# Allegro board gps_interface_boardv49dc.brd (continued)
## Routing (per net, layer and track width the routed paths; a pad name or vN(x,y) marks a point on that pad's centre or on a via; arc(x,y) is an arc through that point) (continued)
MOD_ABS_SFP INTERFACE_SFP1: length 2.9
  TOP w0.203: J13.6 284.08,121.82 284.29,122.02 v1(284.34,122.02)
  BOTTOM w0.203: R127.2 284.2,122.16 v1(284.34,122.02)
MOD_ABS_SFP INTERFACE_SFP2: length 2.9
  TOP w0.203: J14.6 262.01,121.77 262.21,121.97 v1(262.26,121.97)
  BOTTOM w0.203: R148.2 262.13,122.11 v1(262.26,121.97)
MOD_ABS_SFP INTERFACE_SFP3: length 2.9
  TOP w0.203: v1(239.96,121.97) 239.91,121.97 239.71,121.77 J18.6
  BOTTOM w0.203: R169.2 239.83,122.11 v1(239.96,121.97)
MOD_ABS_SFP INTERFACE_SFP4: length 2.9
  TOP w0.203: J19.6 210.47,121.77 210.68,121.97 v1(210.73,121.97)
  BOTTOM w0.203: R190.2 210.59,122.11 v1(210.73,121.97)
MOD_ABS_SFP INTERFACE_SFP5: length 2.9
  TOP w0.203: J20.6 188.17,121.77 188.38,121.97 v1(188.43,121.97)
  BOTTOM w0.203: v1(188.43,121.97) 188.29,122.11 R211.2
MOD_ABS_SFP INTERFACE_SFP6: length 2.9
  TOP w0.203: J21.6 166.05,121.77 166.25,121.97 v1(166.3,121.97)
  BOTTOM w0.203: v1(166.3,121.97) 166.17,122.11 R232.2
N04910_SFP INTERFACE_SFP1: length 4.2
  TOP w0.165: U22.4 280.05,83.27 v1(279.65,82.88) ; U22.1 280.5,84.76 279.96,84.76 v1(279.65,85.06)
  BOTTOM w0.165: v1(279.65,82.88) v1(279.65,85.06)
N04910_SFP INTERFACE_SFP2: length 4.2
  TOP w0.165: U26.4 257.97,83.37 v1(257.58,82.98) ; U26.1 258.43,84.86 257.89,84.86 v1(257.58,85.17)
  BOTTOM w0.165: v1(257.58,82.98) v1(257.58,85.17)
N04910_SFP INTERFACE_SFP3: length 4.2
  TOP w0.165: v1(235.28,85.17) 235.59,84.86 236.13,84.86 U30.1 ; v1(235.28,82.98) 235.67,83.37 U30.4
  BOTTOM w0.165: v1(235.28,82.98) v1(235.28,85.17)
N04910_SFP INTERFACE_SFP4: length 4.2
  TOP w0.165: U34.4 206.46,83.37 v1(206.07,82.98) ; v1(206.07,85.17) 206.38,84.86 206.92,84.86 U34.1
  BOTTOM w0.165: v1(206.07,82.98) v1(206.07,85.17)
N04910_SFP INTERFACE_SFP5: length 4.2
  TOP w0.165: v1(183.77,85.17) 184.07,84.86 184.62,84.86 U38.1 ; U38.4 184.16,83.37 v1(183.77,82.98)
  BOTTOM w0.165: v1(183.77,82.98) v1(183.77,85.17)
N04910_SFP INTERFACE_SFP6: length 4.2
  TOP w0.165: v1(161.65,82.98) 162.04,83.37 U42.4 ; v1(161.65,85.17) 161.95,84.86 162.49,84.86 U42.1
  BOTTOM w0.165: v1(161.65,82.98) v1(161.65,85.17)
N04977_SFP INTERFACE_SFP1: length 4.4
  TOP w0.33: v1(283.06,81.79) 282.61,82.23 U22.8 ; U22.5 281.11,82.16 v1(280.75,81.79)
  BOTTOM w0.165: v1(280.75,81.79) v1(283.06,81.79)
N04977_SFP INTERFACE_SFP2: length 4.4
  TOP w0.33: v1(258.67,81.89) 259.04,82.26 U26.5 ; U26.8 260.54,82.33 v1(260.99,81.89)
  BOTTOM w0.165: v1(258.67,81.89) v1(260.99,81.89)
N04977_SFP INTERFACE_SFP3: length 4.4
  TOP w0.33: U30.5 236.74,82.26 v1(236.37,81.89) ; U30.8 238.24,82.33 v1(238.68,81.89)
  BOTTOM w0.165: v1(236.37,81.89) v1(238.68,81.89)
N04977_SFP INTERFACE_SFP4: length 4.4
  TOP w0.33: U34.8 209.03,82.33 v1(209.47,81.89) ; v1(207.16,81.89) 207.53,82.26 U34.5
  BOTTOM w0.165: v1(207.16,81.89) v1(209.47,81.89)
N04977_SFP INTERFACE_SFP5: length 4.4
  TOP w0.33: U38.5 185.23,82.26 v1(184.86,81.89) ; v1(187.17,81.89) 186.73,82.33 U38.8
  BOTTOM w0.165: v1(184.86,81.89) v1(187.17,81.89)
N04977_SFP INTERFACE_SFP6: length 4.4
  TOP w0.33: v1(165.05,81.89) 164.61,82.33 U42.8 ; v1(162.74,81.89) 163.11,82.26 U42.5
  BOTTOM w0.165: v1(162.74,81.89) v1(165.05,81.89)
N136741_SFP INTERFACE_ACLK SFP: length 2.2
  TOP w0.17: D41.1 112.34,122.9 R2684.1
N136741_SFP INTERFACE_SFP1: length 3.6
  TOP w0.203: D17.1 279.18,106.26 279.18,106.26 v1(277.91,106.26)
  BOTTOM w0.203: R132.1 v1(277.91,106.26)
N136741_SFP INTERFACE_SFP2: length 3.6
  TOP w0.203: v1(255.84,106.26) 257.11,106.26 257.11,106.26 D21.1
  BOTTOM w0.203: R153.1 v1(255.84,106.26)
N136741_SFP INTERFACE_SFP3: length 3.6
  TOP w0.203: D25.1 234.81,106.26 234.8,106.26 v1(233.54,106.26)
  BOTTOM w0.203: R174.1 v1(233.54,106.26)
N136741_SFP INTERFACE_SFP4: length 3.6
  TOP w0.203: D29.1 205.57,106.26 v1(204.31,106.26)
  BOTTOM w0.203: R195.1 v1(204.31,106.26)
N136741_SFP INTERFACE_SFP5: length 3.6
  TOP w0.203: D33.1 183.27,106.26 v1(182,106.26)
  BOTTOM w0.203: R216.1 v1(182,106.26)
N136741_SFP INTERFACE_SFP6: length 3.4
  TOP w0.203: v1(159.88,106.6) 160.23,106.25 161.14,106.25 161.15,106.26 D37.1
  BOTTOM w0.203: R237.1 v1(159.88,106.6)
N141568_SFP INTERFACE_ACLK SFP: length 12.1
  TOP w0.17: U105.4 124.31,121.18 123.93,120.8 120.29,120.8 118.26,122.84 R2683.2 115.58,122.86 D41.2
N141568_SFP INTERFACE_SFP1: length 35.2
  TOP w0.165: D17.2 v1(280.61,107.86)
  SIG w0.165: v1(280.61,107.86) 280.61,105.8 281.23,105.18 281.23,93.07 277.6,89.43 277.6,78.13 v1(277.88,77.85)
  BOTTOM w0.165: R131.2 278.21,77.51 v1(277.88,77.85) 277.88,78.96 U24.4
N141568_SFP INTERFACE_SFP2: length 35.1
  TOP w0.165: D21.2 v1(258.53,107.86)
  SIG w0.165: v1(255.8,77.95) 255.52,78.23 255.52,89.43 259.16,93.07 259.16,105.18 258.53,105.8 v1(258.53,107.86)
  BOTTOM w0.165: R152.2 256.14,77.62 v1(255.8,77.95) 255.8,79.06 U28.4
N141568_SFP INTERFACE_SFP3: length 34.8
  TOP w0.165: D25.2 v1(236.23,107.86)
  SIG w0.165: v1(233.5,77.95) 233.22,78.23 233.22,89.43 236.85,93.07 236.85,105.18 236.23,105.8 v1(236.23,107.86)
  BOTTOM w0.165: v1(233.5,77.95) 233.5,79.06 U32.4
  BOTTOM w0.33: v1(233.5,77.95) 233.58,77.88 R173.2
N141568_SFP INTERFACE_SFP4: length 35.5
  TOP w0.165: D29.2 v1(207,107.86)
  SIG w0.165: v1(207,107.86) 205.99,106.86 205.99,100.94 203.99,98.93 203.99,78.26 v1(204.29,77.95)
  BOTTOM w0.165: U36.4 204.29,79.06 v1(204.29,77.95)
  BOTTOM w0.203: R194.2 205.54,78.01 205.54,78.84 205.31,79.07 U36.4
N141568_SFP INTERFACE_SFP5: length 50.6
  TOP w0.165: D33.2 v1(184.8,107.86)
  BOTTOM w0.165: v1(184.8,107.86) 186.54,106.12 188.06,106.12 189.05,105.13 189.05,97.49 177.77,86.21 177.77,77.44 178.82,76.4 181.48,76.4 181.98,76.9 U40.4
  BOTTOM w0.203: R215.2 184.18,77.9 183.01,79.07 U40.4
N141568_SFP INTERFACE_SFP6: length 53.6
  TOP w0.165: v1(162.57,107.86) 162.55,107.86
  TOP w0.203: 162.55,107.86 D37.2
  BOTTOM w0.165: U44.4 159.87,79.06 159.87,76.01 159.7,75.84 155.98,75.84 153.7,78.13 153.7,95.2 156.38,97.89 161.71,97.89 163.93,100.1 163.93,106.05 162.57,107.4 v1(162.57,107.86)
  BOTTOM w0.203: R236.2 162.05,77.9 160.88,79.07 U44.4
N210584_SFP INTERFACE_ACLK SFP: length 6.2
  TOP w0.17: R2685.1 112.38,126.06 D40.1 112.45,124.88 112.45,124.26 112.96,123.74 R2683.1
N210584_SFP INTERFACE_SFP1: length 5.6
  TOP w0.203: v1(279.11,72.58) 279.11,73.46 279.04,73.52 D16.1
  BOTTOM w0.203: R131.1 279.11,75.67 279.11,75.67 R133.1 v1(279.11,72.58)
N210584_SFP INTERFACE_SFP2: length 4.1
  TOP w0.203: v1(258.09,74.28) D20.1
  BOTTOM w0.203: v1(258.09,74.28) 257.84,74.28 R154.1 257.04,75.77 257.04,75.77 R152.1
N210584_SFP INTERFACE_SFP3: length 8.5
  TOP w0.203: v1(238.88,73.93) 238.88,74.8 238.81,74.87 D24.1
  BOTTOM w0.33: v1(238.88,73.93) 238.86,73.91 236.3,73.91 235.5,74.71 R175.1 235.5,76.31 R173.1
N210584_SFP INTERFACE_SFP4: length 8.5
  TOP w0.203: D28.1 209.6,74.87 209.67,74.8 v1(209.67,73.93)
  BOTTOM w0.165: v1(209.67,73.93) 206.9,73.93 206.54,74.28 R196.1 206.55,76.33 R194.1
N210584_SFP INTERFACE_SFP5: length 5.6
  TOP w0.203: D32.1 187.3,74.87 187.36,74.8 v1(187.36,73.93)
  BOTTOM w0.203: R215.1 187.37,77.02 187.36,77.01 R217.1 v1(187.36,73.93)
N210584_SFP INTERFACE_SFP6: length 5.6
  TOP w0.203: v1(165.24,73.93) 165.24,74.8 165.18,74.87 D36.1
  BOTTOM w0.203: v1(165.24,73.93) R238.1 165.24,77.01 165.25,77.02 R236.1
PG_2V5: length 69.6
  TOP w0.165: v1(52.73,48.21) 47.98,48.21 46.8,47.03 U101.4
  TOP w0.203: U12.4 46.68,65.04 48.11,66.47 v1(53.57,66.47)
  BOTTOM w0.165: R61.1 55.13,65.09 55.58,64.64 64.97,64.64 66.04,63.58 66.04,46.2 61.49,41.66 54.79,41.66 52.73,43.71 v1(52.73,48.21)
  BOTTOM w0.203: Q6.1 55.11,67.74 55.13,67.72 R61.1 53.98,66.07 v1(53.57,66.47)
PG_3V3: length 32.9
  TOP w0.165: v1(51.87,99.09) 47.68,99.09 46.51,97.91 U11.4 ; U9.4 46.83,83.05 48.06,84.28 v1(51.87,84.28)
  BOTTOM w0.203: Q5.1 54.91,101.24 54.88,101.21 R56.1 52.3,99.52 v1(51.87,99.09) v1(51.87,84.28)
PG_3V5: length 18.2
  TOP w0.203: v1(6.78,46.1) 8.06,44.82 U6.31
  BOTTOM w0.203: Q3.1 7.27,31.17 7.3,31.2 R40.1 7.3,34.2 7.29,34.21 7.29,45.59 v1(6.78,46.1)
PG_5V: length 12
  TOP w0.165: U7.4 15.11,70.27 16.14,71.3 20.47,71.3
  TOP w0.203: 20.47,71.3 20.47,71.32 v1(21.08,71.93)
  BOTTOM w0.203: Q4.1 23.67,73.71 23.63,73.67 R50.1 v1(21.08,71.93)
PGOOD_P5V5: length 4.2
  TOP w0.17: U100.B2 5.47,22.21 R2660.1
PPS_OUT_N: length 3.7
  TOP w0.33: R12.1 16.56,128.55 16.56,130.46 16.5,130.52 U2.6
PPS_OUT_P: length 3.6
  TOP w0.33: U2.7 17.15,130.52 17.09,130.46 17.09,128.3 R11.1
R_N_SFP INTERFACE_SFP1: length 2.4
  TOP w0.178: U22.15 281.61,86.34 R130.2
R_N_SFP INTERFACE_SFP2: length 2.4
  TOP w0.178: U26.15 259.54,86.45 R151.2
R_N_SFP INTERFACE_SFP3: length 2.4
  TOP w0.178: U30.15 237.24,86.45 R172.2
R_N_SFP INTERFACE_SFP4: length 2.4
  TOP w0.178: U34.15 208.03,86.45 R193.2
R_N_SFP INTERFACE_SFP5: length 2.4
  TOP w0.178: R214.2 185.73,86.45 U38.15
R_N_SFP INTERFACE_SFP6: length 2.4
  TOP w0.178: R235.2 163.61,86.45 U42.15
R_P_SFP INTERFACE_SFP1: length 2
  TOP w0.178: R128.2 282.13,85.39 U22.14
R_P_SFP INTERFACE_SFP2: length 2
  TOP w0.178: R149.2 260.06,85.49 U26.14
R_P_SFP INTERFACE_SFP3: length 2
  TOP w0.178: R170.2 237.76,85.49 U30.14
R_P_SFP INTERFACE_SFP4: length 2
  TOP w0.178: R191.2 208.55,85.49 U34.14
R_P_SFP INTERFACE_SFP5: length 2
  TOP w0.178: U38.14 186.24,85.49 R212.2
R_P_SFP INTERFACE_SFP6: length 2
  TOP w0.178: R233.2 164.12,85.49 U42.14
RECOV_ACLK_CLK_N: length 7.2
  TOP w0.203: U48.2 109.25,83.13 109.23,83.12
  TOP w0.33: 106.57,85.65 107.06,85.65 107.42,85.29 107.42,84.15 108.45,83.12 109.23,83.12 ; 106.57,85.65 105.45,85.65 C2738.2 ; 106.57,85.65 R2693.2
RECOV_ACLK_CLK_P: length 7.2
  TOP w0.203: U48.1 109.25,83.63 109.23,83.65
  TOP w0.33: 109.23,83.65 108.67,83.65 107.95,84.37 107.95,85.51 107.28,86.18 106.55,86.18 ; 106.55,86.18 105.45,86.18 C2737.2 ; 106.55,86.18 R2693.1
RS_SFP INTERFACE_ACLK SFP: length 2.7
  TOP w0.203: J30.7 v1(136.01,121.94)
  BOTTOM w0.203: v1(136.01,121.94) 136.01,122.51 136.02,122.52 R2681.2
RS_SFP INTERFACE_SFP1: length 2.7
  TOP w0.203: J13.7 v1(283.28,121.99)
  BOTTOM w0.203: v1(283.28,121.99) 283.28,122.56 283.29,122.57 R129.2
RS_SFP INTERFACE_SFP2: length 2.7
  TOP w0.203: J14.7 v1(261.21,121.94)
  BOTTOM w0.203: v1(261.21,121.94) 261.21,122.51 261.21,122.52 R150.2
RS_SFP INTERFACE_SFP3: length 2.7
  TOP w0.203: J18.7 v1(238.91,121.94)
  BOTTOM w0.203: v1(238.91,121.94) 238.91,122.51 238.91,122.52 R171.2
RS_SFP INTERFACE_SFP4: length 2.7
  TOP w0.203: J19.7 v1(209.67,121.94)
  BOTTOM w0.203: R192.2 209.68,122.52 209.67,122.51 v1(209.67,121.94)
RS_SFP INTERFACE_SFP5: length 2.7
  TOP w0.203: J20.7 v1(187.37,121.94)
  BOTTOM w0.203: v1(187.37,121.94) 187.37,122.51 187.38,122.52 R213.2
RS_SFP INTERFACE_SFP6: length 2.7
  TOP w0.203: J21.7 v1(165.25,121.94)
  BOTTOM w0.203: v1(165.25,121.94) 165.25,122.51 165.25,122.52 R234.2
RT_5V5: length 2.6
  TOP w0.165: R42.1 8.81,49.19 9.38,48.62 U6.26
SFP_RD_N: length 20.6
  TOP w0.33: J30.12 134.81,110.59 134.95,110.46 134.95,108.14 135.36,107.73 135.36,101.73 137.79,99.29 137.79,96.55 137.3,96.05 U107.4
SFP_RD_P: length 20.5
  TOP w0.33: J30.13 135.61,110.59 135.48,110.46 135.48,108.36 135.89,107.95 135.89,101.95 138.33,99.51 138.33,96.55 138.8,96.07 U107.1
SFP_TD_N_SFP INTERFACE_SFP1: length 38
  TOP w0.178: R126.1 R122.2 288.69,81.97 C141.2
  TOP w0.33: C141.2 288.94,83.44 291.19,83.44 293.67,85.93 293.67,91.31 286.64,98.35 286.64,107.55 287.55,108.46 287.55,110.51 287.68,110.64 J13.19
SFP_TD_N_SFP INTERFACE_SFP2: length 37.9
  TOP w0.178: C164.2 266.61,82.07 R143.2 R147.1
  TOP w0.33: J14.19 265.61,110.59 265.48,110.46 265.48,108.41 264.57,107.5 264.57,98.3 271.6,91.26 271.6,85.88 269.27,83.54 266.87,83.54 C164.2
SFP_TD_N_SFP INTERFACE_SFP3: length 37.9
  TOP w0.178: R168.1 R164.2 244.31,82.07 C187.2
  TOP w0.33: J18.19 243.31,110.59 243.18,110.46 243.18,108.41 242.27,107.5 242.27,98.3 249.3,91.26 249.3,85.88 246.99,83.57 244.59,83.57 C187.2
SFP_TD_N_SFP INTERFACE_SFP4: length 37.9
  TOP w0.178: R189.1 R185.2 215.1,82.07 C210.2
  TOP w0.33: C210.2 215.28,83.46 217.65,83.46 220.07,85.88 220.07,91.26 213.03,98.3 213.03,107.5 213.94,108.41 213.94,110.46 214.07,110.59 J19.19
SFP_TD_N_SFP INTERFACE_SFP5: length 37.3
  TOP w0.178: R210.1 R206.2 192.8,82.07 C233.2
  TOP w0.33: J20.19 191.77,110.59 191.64,110.46 191.64,108.41 190.73,107.5 190.73,98.09 196.95,91.86 196.95,84.95 195.57,83.57 193.08,83.57 C233.2
SFP_TD_N_SFP INTERFACE_SFP6: length 37.9
  TOP w0.178: R231.1 R227.2 170.68,82.07 C256.2
  TOP w0.33: C256.2 170.86,83.46 173.23,83.46 175.64,85.88 175.64,91.26 168.61,98.3 168.61,107.5 169.52,108.41 169.52,110.46 169.65,110.59 J21.19
SFP_TD_P_SFP INTERFACE_SFP1: length 37.1
  TOP w0.178: C140.2 288.69,85.44 R121.2 R123.1
  TOP w0.33: J13.18 286.88,110.64 287.02,110.51 287.02,108.68 286.11,107.77 286.11,98.13 293.14,91.09 293.14,86.15 290.96,83.97 288.99,83.97 C140.2
SFP_TD_P_SFP INTERFACE_SFP2: length 37.1
  TOP w0.178: 266.61,85.49 266.61,85.55 266.62,85.55 265.58,85.55 R144.1 ; 266.61,85.49 C163.2 ; 266.61,85.49 R142.2
  TOP w0.33: J14.18 264.81,110.59 264.94,110.46 264.94,108.63 264.03,107.72 264.03,98.08 271.07,91.04 271.07,86.1 269.04,84.07 266.92,84.07 C163.2
SFP_TD_P_SFP INTERFACE_SFP3: length 37
  TOP w0.178: R165.1 R163.2 244.31,85.55 C186.2
  TOP w0.33: C186.2 244.59,84.1 246.77,84.1 248.77,86.1 248.77,91.04 241.73,98.08 241.73,107.72 242.64,108.63 242.64,110.46 242.51,110.59 J18.18
SFP_TD_P_SFP INTERFACE_SFP4: length 37
  TOP w0.178: C209.2 215.1,85.55 R184.2 R186.1
  TOP w0.33: C209.2 215.48,84 217.43,84 219.53,86.1 219.53,91.04 212.5,98.08 212.5,107.72 213.41,108.63 213.41,110.46 213.27,110.59 J19.18
SFP_TD_P_SFP INTERFACE_SFP5: length 36.3
  TOP w0.178: R207.1 R205.2 192.8,85.55 C232.2
  TOP w0.33: J20.18 190.97,110.59 191.11,110.46 191.11,108.63 190.2,107.72 190.2,97.87 196.42,91.64 196.42,85.17 195.35,84.1 193.08,84.1 C232.2
SFP_TD_P_SFP INTERFACE_SFP6: length 37
  TOP w0.178: C255.2 170.68,85.55 R226.2 R228.1
  TOP w0.33: C255.2 171.06,84 173.01,84 175.11,86.1 175.11,91.04 168.07,98.08 168.07,107.72 168.98,108.63 168.98,110.46 168.85,110.59 J21.18
SPARE_BNC_CONN_0: length 29.8
  TOP w0.203: P1.1 289.56,7.8 287.71,7.8 287.22,8.28 287.22,9.78 288.21,10.77 288.72,10.77 289.89,11.94 289.89,15.67 289.32,16.24 R109.1 289.32,17.78 289.84,18.3 IC2.2
  BOTTOM w0.203: TP79.1 292.3,9.17 P1.1
SPARE_BNC_CONN_1: length 26.1
  TOP w0.165: 290.34,11.12 290.32,11.14 ; 290.86,17.79 290.87,17.78
  TOP w0.203: 290.87,17.78 R108.1 290.87,16.29 290.32,15.75 290.32,11.14 ; P1.3 290.34,11.12 ; 290.86,17.79 290.86,18.19 290.34,18.7 IC2.3
  BOTTOM w0.203: P1.3 289.66,7.9 294.28,7.9 TP78.1
SPARE_LEMO_CONN_0: length 38.3
  TOP w0.203: IC1.2 282.83,18.57 282.28,18.02 R105.1 282.28,16.17 282.85,15.6 282.85,10.95 281.94,10.03 281.94,8.86 282.93,7.87 284.56,7.87 P1.5
  SIG w0.203: P1.5 285.85,12.65 284.7,13.8 274.14,13.8 272.78,15.16 TP77.1
SPARE_LEMO_CONN_1: length 26.8
  TOP w0.203: P1.7 283.31,15.52 283.88,16.09 R104.1 283.88,18.05 283.33,18.6 IC1.3
  SIG w0.203: P1.7 280.52,11.96 TP76.1
SPARE_RJ45_CM: length 18.6
  BOTTOM w0.165: TP27.1 232.88,18.96 C129.1 236.45,19.49 236.46,19.51 R116.1 R117.1 238.11,19.5 238.1,19.49 C127.1 239.1,18.96 239.12,18.99 C128.1 242.16,18.99 242.66,18.49 J17.P1
SQUELCH: length 3.7
  TOP w0.17: U104.27 143.07,69.56 R2687.1
SS_2V5: length 35.8
  TOP w0.17: U12.13 40.64,64.54 40.47,64.71 40.23,64.71 v1(40.13,64.62) C85.1 ; U101.13 40.64,46.53 40.47,46.7 40.23,46.7 v1(40.13,46.61) C2710.1
  BOTTOM w0.33: v1(40.13,64.62) 40.13,60.66 39.29,59.82 35.18,59.82 34.47,59.11 34.47,47.73 35.59,46.61 v1(40.13,46.61)
SS_3V3_1: length 3.7
  TOP w0.17: U9.13 40.67,82.55 40.11,83.11 C65.1
SS_3V3_2: length 3.5
  TOP w0.17: U11.13 40.84,97.41 40.08,98.17 C76.1
SS_5V: length 3
  TOP w0.17: U7.13 10.38,69.77 8.7,71.45 C57.1
SYNC_OUT_N: length 3.6
  TOP w0.33: R16.1 41.98,128.5 41.98,130.44 41.92,130.49 U3.6
SYNC_OUT_P: length 3.6
  TOP w0.33: R15.1 42.51,128.4 42.51,130.44 42.57,130.49 U3.7
TEMP_ADDR: length 5.5
  TOP w0.203: R253.1 U46.5 U46.6 U46.7
THRADJ: length 2.5
  TOP w0.17: C2733.2 133.73,72.4 R2686.2 134.07,72.06 U104.9
VP2V5: length 33
  TOP w0.203: v1(56.69,59.72) 56.69,59.54 56.97,59.26 U13.11
  TOP w0.343: R2668.2 51.88,62.83 v1(51.68,63.03) 51.5,63.21 R58.1
  SIG w0.343: v1(56.69,59.72) 55.98,60.43 52.63,60.43 51.68,61.38 v1(51.68,63.03)
  BOTTOM w0.343: v1(56.69,59.72) 60.15,59.72 62.13,57.73 62.13,54.58 58.06,50.52 TP763.1
VP3V3: length 7.4
  TOP w0.203: U10.11 v1(61.44,81.05)
  BOTTOM w0.203: v1(61.44,81.05) v1(55.19,81.05)
VP3V5: length 65.3
  TOP w0.165: U9.17 43.75,80.3 43.74,80.29 ; U12.17 43.77,62.29 43.76,62.28 ; 41.99,64.03 41.99,64.04 U12.14 ; 41.96,82.04 41.97,82.05 U9.14
  TOP w0.17: 9.38,43.19 U6.1
  TOP w0.203: v1(5.8,42.63) 8.82,42.63 9.38,43.19
  BOTTOM w0.203: 2.52,43.23 C51.1 4.15,43.23 4.16,43.24 R41.1 v1(5.8,42.63)
  BOTTOM w0.33: TP11.1 25.83,36.09 22.48,39.45 v1(22.48,42.44) ; v1(26.75,49.71) 26.75,54.76 24.16,57.35 2.84,57.35 1.68,56.18 1.68,44.07 2.52,43.23
  vias: v1(26.75,48.67) v1(26.75,47.62) v1(26.75,46.58) v1(26.75,45.54) v1(26.75,44.5) v1(26.75,43.46) v1(26.75,42.42) v1(26.75,41.38) v1(36.55,81.66) v1(36.55,80.59) v1(36.55,79.53) v1(36.58,63.6) v1(36.58,62.53) v1(36.58,61.47) v1(36.6,45.64) v1(36.6,44.58) v1(36.6,43.51) v1(37.62,81.66) v1(37.62,80.59) v1(37.62,79.53) v1(37.64,63.6) v1(37.64,62.53) v1(37.64,61.47) v1(37.67,45.64) v1(37.67,44.58) v1(37.67,43.51) v1(38.68,81.66) v1(38.68,80.59) v1(38.68,79.53) v1(38.71,63.6) v1(38.71,62.53) v1(38.71,61.47) v1(38.73,45.64) v1(38.73,44.58) v1(38.73,43.51)
VP5V: length 20.1
  TOP w0.165: 13.34,67.51 13.33,67.52 U7.19
  TOP w0.203: U8.11 U8.12 25.03,64.06 24.24,64.85 v1(23.11,64.85)
  BOTTOM w0.165: TP15.1 18.82,67.46 15.82,67.46 14.95,68.34 R46.1
  BOTTOM w0.203: TP15.1 21.44,64.85 v1(23.11,64.85) C58.2
VP5V5: length 7.9
  TOP w0.165: U7.17 12.33,67.52 12.32,67.51 ; U100.F3 v1(12.26,22.88) ; U100.H3 v1(14.8,22.88) ; U100.G4 v1(13.53,24.15) ; U100.G3 v1(13.53,22.88) ; U7.14 10.55,69.27 10.54,69.27 ; U100.H4 v1(14.8,24.15) ; U100.G5 v1(13.53,25.42) ; U100.F5 v1(12.26,25.42) ; U100.H5 v1(14.8,25.42) ; U100.F4 v1(12.26,24.15)
  vias: v1(5.13,67.44) v1(5.13,66.07) v1(5.18,68.78) v1(6.25,67.46) v1(6.27,68.78) v1(6.27,66.07) v1(7.42,68.78) v1(7.47,67.51) v1(7.47,66.07)
VP12V: length 9.8
  TOP w0.165: U6.25 9.88,48.03 10.79,48.95 ; U100.B4 v1(6.08,24.15) ; 11.89,43.03 11.88,43.03 U6.6 ; U100.A4 v1(4.81,24.15) ; U6.21 11.88,48.13 11.89,48.13 ; U6.23 10.88,48.14 10.9,48.16 ; U100.A1 v1(4.81,19.24) ; U100.B5 v1(6.08,25.42) ; U6.22 11.38,48.13 11.38,48.13 ; U100.A5 v1(4.81,25.42) ; U6.5 11.38,43.01 11.38,43 ; 10.87,43 10.88,43.01 U6.4
  vias: v1(10.46,40.77) v1(10.46,39.73) v1(10.46,38.66) v1(10.64,52.65) v1(10.67,51.74) v1(10.67,50.77) v1(11.4,48.97) v1(11.38,41.94) v1(11.99,52.6) v1(12.01,51.71) v1(34.92,31.5) v1(34.87,30.15) v1(34.87,28.78) v1(36.02,31.5) v1(35.99,30.18) v1(36.02,28.78) v1(37.16,31.5) v1(37.21,30.23) v1(37.21,28.78) v1(38.43,30.15) v1(38.43,28.78) v1(38.48,31.5)
VREF: length 1.6
  TOP w0.17: U104.3 138.29,73.86 C2734.1
N00534: length 5.2
  BOTTOM w0.203: R2.2 R4.1 86.98,136.89 86.99,136.89 C1.1
N00638: length 3.5
  TOP w0.203: v1(79.45,135.99) 79.84,135.61 U1.4
  BOTTOM w0.203: C3.1 79.85,136.39 v1(79.45,135.99)
N01450: length 1.8
  TOP w0.17: U104.14 133.86,69.56 C2732.1
N01454: length 1.7
  TOP w0.17: C2732.2 133.59,69.06 U104.15
N01590: length 2.7
  TOP w0.203: U1.7 78.48,131.09 78.47,131.1 R9.1
N02604: length 14.4
  TOP w0.203: R266.1 66.21,133.43 65.63,132.84 61.74,132.84 61.07,132.17 R10.2
  TOP w0.305: R266.1 R265.2 65.96,134.8 v1(65.4,134.24) 64.85,134.24 64.72,134.37 U47.1
  BOTTOM w0.305: v1(65.4,134.24) C5.1
N02878: length 1.9
  TOP w0.203: R10.1 61.75,131.27 61.75,131.27 U47.5
N89867: length 1.5
  TOP w0.165: U48.25 115.01,74.22 R21.2
N89871: length 3.4
  TOP w0.165: U48.4 106.94,82.13 R20.2
N89889: length 3.6
  TOP w0.165: R22.2 107.37,83.11 107.84,82.63 U48.3
N89893: length 1.6
  TOP w0.165: U48.48 120.18,83.63 R19.2
N89897: length 41
  TOP w0.17: R21.1 115.24,71.22 v1(114.94,70.92) ; R20.1 R22.1 105.97,83.12 105.97,83.72 v1(106.38,84.12) ; R19.1 v1(120.62,85.67)
  BOTTOM w0.17: 111.1,82.37 109.8,81.08 109.8,70.84 110.92,69.72 113.23,69.72 114.43,70.92 v1(114.94,70.92) ; 111.1,82.37 119.56,82.37 120.62,83.44 v1(120.62,85.67) ; 111.1,82.37 108.13,82.37 v1(106.38,84.12)
N90109: length 1.5
  TOP w0.165: U48.19 112.01,74.47 112.01,74.47 R26.2
N90113: length 1.7
  TOP w0.165: R25.2 110.49,74.27 111.01,74.79 U48.17
N90529: length 5.7
  TOP w0.203: R23.2 105,79.15 106.81,79.15 107.32,78.63 U48.11
N91101: length 7.8
  TOP w0.165: U48.59 113.51,85.09 113.57,85.16 113.57,89.63 113.36,89.84 112.67,89.84 112.5,89.67 112.5,89.44 112.85,89.09 C36.1
N91105: length 9
  TOP w0.165: U48.58 114.01,85.09 113.94,85.16 113.94,89.78 113.52,90.2 112.52,90.2 112.13,89.82 112.13,89.44 111.79,89.09 C37.1
N107878: length 1.3
  TOP w0.165: R24.2 120.44,79.13 U48.39
N127138: length 8.1
  TOP w0.203: v1(80.98,136.47) 80.36,135.86 80.36,135.84 80.34,135.82 U1.3
  BOTTOM w0.203: C1.2 84.71,135.64 83.87,136.47 v1(80.98,136.47)
N140138: length 5.6
  TOP w0.165: U6.13 15.11,45.32 15.11,45.31 ; L6.1 17.21,45.49 17.21,42.95 ; 15.11,45.82 15.11,45.82 U6.14 ; U6.12 15.12,44.82 15.14,44.83 ; U6.15 15.1,46.32 15.11,46.3 ; 15.11,46.81 15.11,46.82 U6.16
N146225: length 0.9
  TOP w0.165: U9.2 46.5,82.05 46.53,82.02 ; 44.75,80.29 44.75,80.3 U9.19
N146320: length 2.4
  TOP w0.17: v1(46.15,85.19) 46.07,85.19 U9.6
  BOTTOM w0.17: v1(46.15,85.19) 46.05,85.19 45.75,85.5 R63.1
N146332: length 1.9
  TOP w0.17: U9.11 v1(41.59,83.55)
  BOTTOM w0.17: v1(41.59,83.55) 41.03,83.55 41.02,83.57 R65.1
N146446: length 2.3
  TOP w0.17: U9.10 43.25,84.76 42.86,85.14 v1(42.6,85.14)
  BOTTOM w0.17: v1(42.6,85.14) 42.6,85.37 42.75,85.52 R64.1
N179430: length 1.7
  TOP w0.165: C34.1 117.51,85.68 U48.51
N179442: length 1.7
  TOP w0.165: C35.1 118.01,85.58 U48.50
N180853: length 13.6
  TOP w0.33: C34.2 117.25,87.58 117.83,88.17 117.83,97.63 116.56,98.9 J100.3
N180901: length 13.3
  TOP w0.33: C35.2 118.36,97.66 119.69,98.99 J101.3
N185241: length 0.5
  TOP w0.165: U11.2 46.47,96.91 46.51,96.88
N222361: length 8.1
  TOP w0.203: R2689.1 R2691.1 131.66,98.01 131.29,98.37 128.63,98.37 128.26,98.74 D42.1
N222457: length 30.7
  TOP w0.17: 134.47,98.76 v1(134.7,98.53) 134.44,98.27 ; U106.4 148.01,92.18 147.23,91.4 v1(146.75,91.4)
  TOP w0.203: D43.2 134.05,107.86 134.47,107.44 134.47,98.76 ; R2689.2 134.44,98.27
  SIG w0.17: v1(134.7,98.53) 141.25,98.53 146.75,93.03 v1(146.75,91.4)
N222469: length 3.4
  TOP w0.203: v1(130.65,106.6) 131,106.25 131.9,106.25 131.91,106.26 D43.1
  BOTTOM w0.203: R2690.1 v1(130.65,106.6)
N224400: length 130.4
  TOP w0.203: U53.16 214.81,17.14 214.45,17.5 214.45,29.21 v1(217.37,32.13) ; J18.2 v1(242.91,122.03)
  SIG w0.165: v1(217.37,32.13) 217.37,53.26 226.52,62.41 226.52,77.75 v1(228.19,79.43) 228.19,84.45 229.82,86.08 229.82,114.35 234.75,119.28 234.75,121.72 235.99,122.96 240.03,122.96 240.96,122.03 v1(242.91,122.03)
  BOTTOM w0.165: U32.1 230.43,81.66 v1(228.19,79.43)
  BOTTOM w0.203: R166.2 242.91,123.01 v1(242.91,122.03)
N224404: length 121.9
  TOP w0.203: J18.8 238.11,121.77 237.91,121.97 v1(237.85,121.97) ; U53.15 217.12,17.79 217.32,18 217.32,30.76 v1(218.67,32.11)
  SIG w0.165: v1(237.85,121.97) 237.85,120.7 235.89,118.75 235.15,118.75 230.43,114.02 230.43,85.45 229.31,84.33 v1(229.31,79.35) 228.45,78.49 228.45,58.67 218.67,48.9 v1(218.67,32.11)
  BOTTOM w0.165: v1(229.31,79.35) 230.43,80.47 232.05,80.47 232.54,80.95 U32.2
  BOTTOM w0.203: v1(237.85,121.97) 237.97,122.1 R167.2
N224432: length 150.2
  TOP w0.203: v1(209.8,31.17) 212.29,28.68 212.29,15.29 213.04,14.54 U53.20 ; J19.2 v1(213.67,122.03)
  SIG w0.165: v1(209.8,31.17) 210.57,30.4 211.28,30.4 211.93,31.05 211.93,36.35 210.57,37.71 210.57,42.82 211.56,43.81 211.56,61.37 200.56,72.36 v1(200.56,82.47) 202.06,83.97 202.06,99.66 203.12,100.73 203.12,103.54 201.73,104.93 201.73,106.68 203.61,108.56 218.95,108.56 220.6,110.21 220.6,121.36 220.32,121.64 214.06,121.64 v1(213.67,122.03)
  BOTTOM w0.165: U36.1 202.37,82.11 202.01,82.47 v1(200.56,82.47)
  BOTTOM w0.203: v1(213.67,122.03) 213.67,123.01 R187.2
N224436: length 152.2
  TOP w0.203: v1(208.61,121.97) 208.67,121.97 208.87,121.77 J19.8 ; v1(210.95,31.17) 213.44,28.68 213.44,16.41 214.65,15.19 U53.19
  SIG w0.165: v1(210.95,31.17) 210.95,35.92 209.68,37.19 209.68,43.05 210.95,44.32 210.95,60.93 199.82,72.06 v1(199.82,83.21) 201.55,84.94 201.55,99.87 202.62,100.94 202.62,103.33 201.22,104.72 201.22,106.83 205.54,111.15 218.82,111.15 220.09,112.42 220.09,120.27 219.28,121.08 213.11,121.08 212.85,121.34 212.85,122.25 212.34,122.76 209.27,122.76 208.61,122.1 v1(208.61,121.97)
  BOTTOM w0.165: v1(199.82,83.21) 203.16,83.21 203.33,83.04 U36.2
  BOTTOM w0.203: R188.2 208.74,122.1 v1(208.61,121.97)
N224464: length 213.7
  TOP w0.203: v1(207.42,31.17) 209.93,28.65 209.93,18.44 207.21,15.72 U52.7 ; J20.2 v1(191.37,122.03)
  SIG w0.165: v1(191.37,122.03) 192.87,122.03 193.68,122.83 196.98,122.83 201.7,127.56 204.11,127.56 206.5,125.17 214.58,125.17 216.61,123.14 222.63,123.14 227.03,118.75 227.03,88.57 213.54,75.08 213.54,31.09 211.71,29.26 209.32,29.26 v1(207.42,31.17)
  BOTTOM w0.165: v1(191.37,122.03) 193.72,122.03 194.77,120.98 194.77,115.21 191.44,111.89 191.44,98.2 180.07,86.83 U40.1
  BOTTOM w0.203: v1(191.37,122.03) 191.37,123.01 R208.2
